# Altium PCB PCB1.PcbDoc
Units mm, origin at the board's own origin, x right, y up, seen from the top; angles counter-clockwise.
Board outline 54.73 x 59.72 mm, 4 copper layers (Top Layer, Signal Layer 1, Signal Layer 2, Bottom Layer), stack 0.778 mm thick; 95 components, 128 nets, 540 pads, 112 vias.
Unrouted connection lines stored in the file: 45.
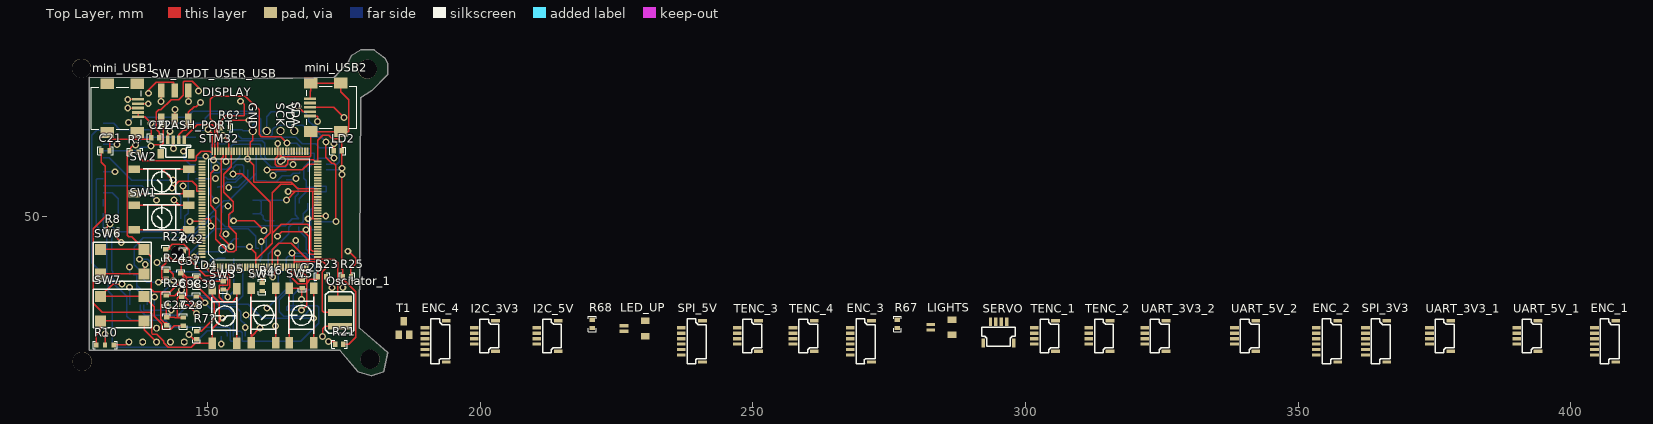
[diagram p0: Top Layer view]
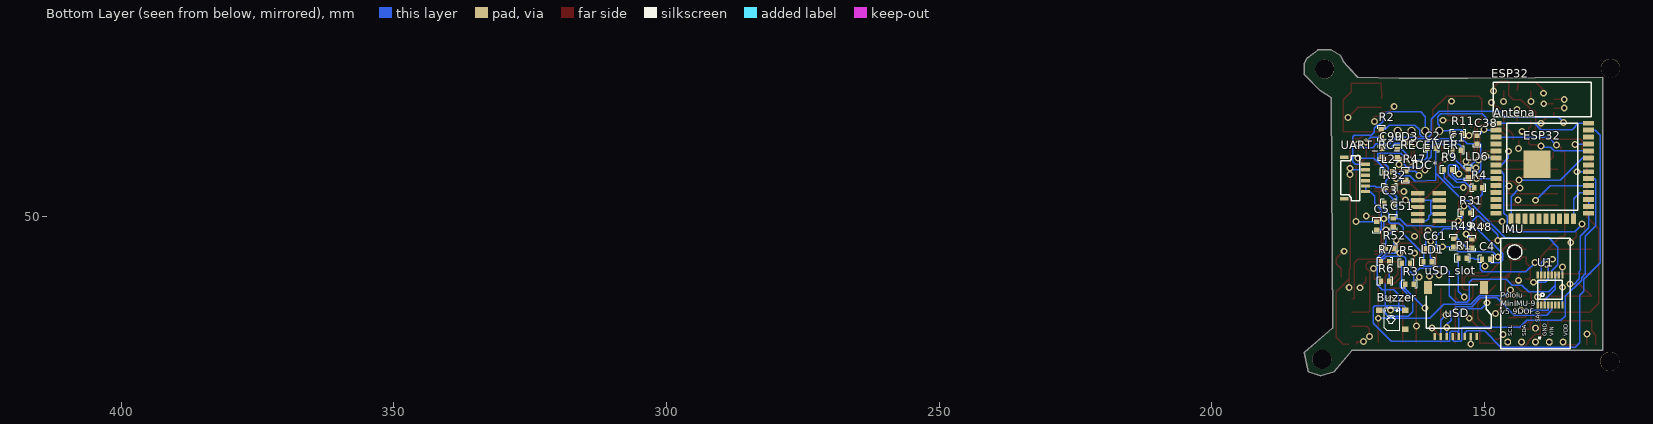
[diagram p1: Bottom Layer view, seen from below]
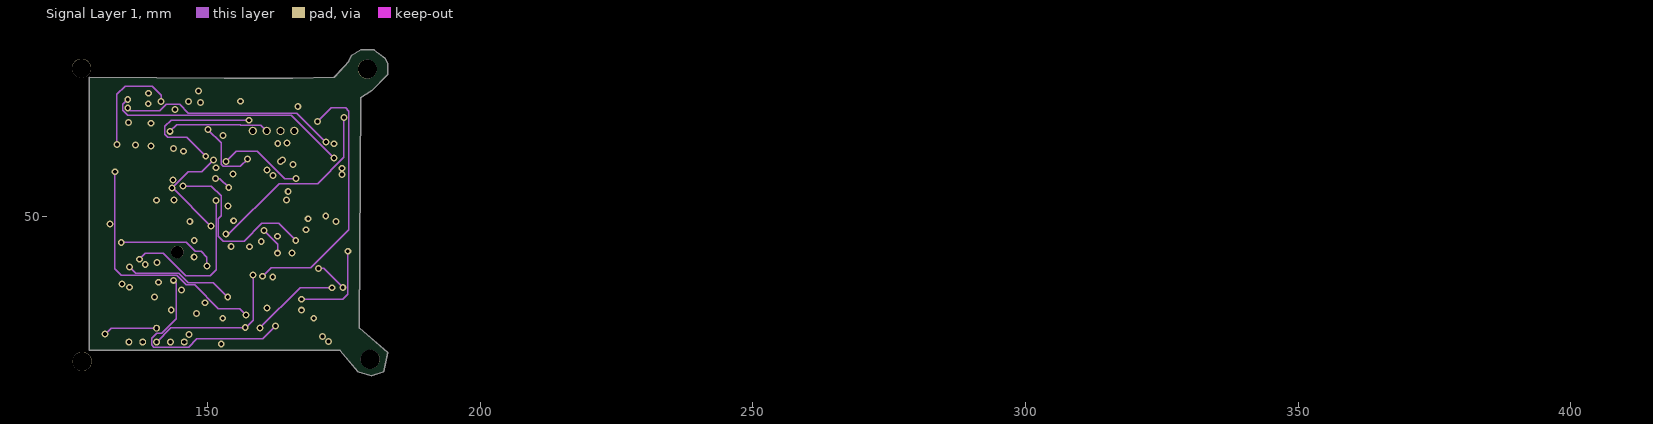
[diagram p2: Signal Layer 1]
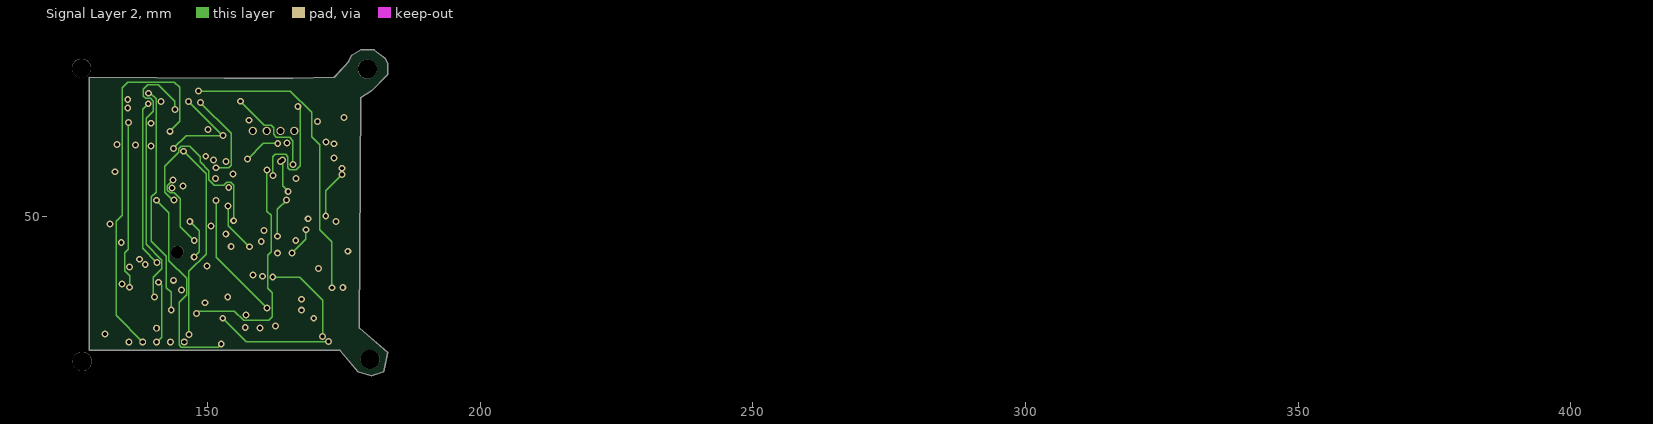
[diagram p3: Signal Layer 2]

## Layer stack, top to bottom
Top Solder: solder mask 0.0102, Solder Resist, Dk 3.5
Top Layer: signal copper 0.0356
Dielectric 1: core 0.254, FR-4, Dk 4.2
Signal Layer 1: signal copper 0.036
Dielectric 3: prepreg 0.127, Dk 4.2
Signal Layer 2: signal copper 0.036
Dielectric 2: core 0.254, Dk 4.2
Bottom Layer: signal copper 0.0356
Bottom Solder: solder mask 0.0102, Solder Resist, Dk 3.5

## Board outline
128.27,25.4 174.25,25.4 177.5,21.5 180.01,20.777 182.27,21.5 183,25 177.8,29.5 178,71.75 180.01,73 183,75.99 183,78 182.5,79 180.5,80.5 178,80.5 176.352,79.502 175.867,78.445 175,77.5 173.165,75.5 165.608,75.311 153.035,75.311 128.27,75.5

## Design rules (kind name [scope] priority, off if disabled: settings)
Clearance [All] p1: gap=0.152
PolygonConnect [All] p1: connectstyle=Relief reliefconductorwidth=0.254 reliefentries=4 polygonreliefangle="90 Angle" airgapwidth=0.254
RoomDefinition Board [InComponentClass('Board')] p1: confinementstyle=ConfineIn formatcopy=TRUE lockcomponents=FALSE outline 184,22.5 410.749,22.5 410.749,34.5 184,34.5
RoutingVias [All] p1: holewidth=0.711 width=1.27 viastyle="Through Hole" minholewidth=0.711 minwidth=1.27 maxholewidth=0.711 maxwidth=1.27
SolderMaskExpansion [All] p1: expansion=0.102
Width [All] p1: maxlimit=0.254 minlimit=0.254 preferedwidth=0.254
30 further rules are at their usual default settings.

## Components (designator, comment, footprint, x,y, rotation, side; value= is the part's Value field where it differs from the comment)
Buzzer "magnectic_buzzer" SMT-0540-S-R 164.465,32.766 r90 bottom
C1 "0u1" 0603 155.804,62.128 r180 bottom
C2 "10u" 0603 160.401,62.459 r180 bottom
C3 "0u1" 0603 168.3,52.4 r180 bottom
C4 "47p" 0603 150.393,42.139 r180 bottom
C5 "47p" 0603 169.697,49.022 r270 bottom
C21 "100n" 0603 130.454,62.001 r0 top
C22 "100n" 0603 141.097,64.389 r180 top
C23 "100n" 0603 167.335,36.805 r90 top
C27 "0.1uF" 0603 142.418,29.972 r90 top
C28 "0.1uF" 0603 145.466,29.921 r90 top
C37 "0.1uF" 0603 145.009,38.024 r90 top
C38 "22uF" 0603 151.308,63.297 r90 bottom
C39 "0.1uF" 0603 147.853,33.782 r90 top
C51 "100n" 0603 166.675,49.579 r270 bottom
C61 "100n" 0603 160.706,44.044 r180 bottom
C98 "C2u2-ESRmax2" 0603 145.212,33.757 r90 top
C99 "C2u2-ESRmax2" 0603 168.732,60.884 r90 bottom
DISPLAY "SSD1306" SSD1306 158.242,65.659 r0 top
ENC_1 "SPI_1" "JST SR SH 1.0 - 6PIN" 408.249,23.25 r90 top
ENC_2 "SPI_2" "JST SR SH 1.0 - 6PIN" 357.249,23.25 r90 top
ENC_3 "SPI_3" "JST SR SH 1.0 - 6PIN" 271.749,23.25 r90 top
ENC_4 "SPI_4" "JST SR SH 1.0 - 6PIN" 193.75,23.25 r90 top
ESP32 "ESP-WROOM-32" ESP-WROOM-32 139.319,50.546 r180 bottom
FLASH_PORT "UART_1" "JST SR SH 1.0 TOP - 4PIN" 141.351,61.468 r0 top
I2C_3V3 "I2C_1" "JST SR SH 1.0 - 4PIN" 202.75,25.25 r90 top
I2C_5V "I2C_2" "JST SR SH 1.0 - 4PIN" 214.25,25.25 r90 top
IDC* "IDC" IDC_10_1.27 158.242,49.149 r90 bottom
IMU "MinIMU-9 v5 9DOF" "MinIMU-9 v5 9DOF - GOLDPINS" 134.239,25.654 r180 bottom
L2 "1u" R0603 168.377,58.191 r180 bottom
LD1 "GREEN" 0603 161.112,41.631 r180 bottom
LD2 "GREEN" 0603 174.574,61.976 r180 top
LD3 "BLUE_BT" 0603 165.913,60.833 r90 bottom
LD4 "BLUE_WIFI" 0603 147.904,37.313 r90 top
LD5 "BLUE_STM" 0603 152.857,36.551 r90 top
LD6 "RED_FAULT" 0603 152.907,57.15 r90 bottom
LED_UP "2 PIN CONNECTOR" "JST SR SH 1.0 - 2pin" 230.25,28 r90 top
LIGHTS "2 PIN CONNECTOR" "JST SR SH 1.0 - 2pin" 286.499,28.25 r90 top
mini_USB1 "651305142821" 651305142821 133.223,69.85 r270 top
mini_USB2 "651305142821" 651305142821 172.72,69.977 r90 top
Oscilator_1 "CSTCC8M00G53-R0" CSTCC8M00G53-R0 174.244,29.845 r90 top
R1 "27" R0603 154.711,42.316 r180 bottom
R2 "27" R0603 168.834,65.964 r270 bottom
R3 "3k3" R0603 164.44,37.541 r180 bottom
R4 "220" R0603 151.841,55.194 r180 bottom
R5 "27" R0603 165.1,41.377 r180 bottom
R6 "1k" R0603 168.91,38.075 r180 bottom
R6? "220" R0603 153.873,66.243 r180 top
R7 "10k" R0603 168.91,41.631 r180 bottom
R7? "220" R0603 147.93,27.432 r90 top
R8 "220" R0603 131.572,47.193 r0 top
R9 "220" R0603 157.352,58.547 r180 bottom
R10 "10k" "R0603 - double" 131.14,26.391 r180 top
R11 "220" R0603 155.524,65.126 r180 bottom
R21 "10k" R0603 173.355,26.518 r0 top
R22 "330" R0603 142.24,42.469 r90 top
R23 "10k" R0603 171.679,38.938 r180 top
R24 "330" R0603 142.367,38.532 r90 top
R25 "10k" R0603 176.251,38.938 r180 top
R26 "330" R0603 142.367,33.96 r90 top
R31 "10k" R0603 154.051,50.597 r180 bottom
R32 "10k" R0603 168.072,55.294 r180 bottom
R42 "330" R0603 145.491,42.062 r90 top
R46 "10k" R0603 159.944,36.297 r90 top
R47 "22" R0603 164.414,56.718 r90 bottom
R48 "22" R0603 152.273,44.247 r90 bottom
R49 "1.5k" R0603 155.599,44.399 r90 bottom
R52 "330" R0603 168.072,44.118 r180 bottom
R67 "1K" R0603 276.499,29.5 r90 top
R68 "270" R0603 220.5,29.5 r90 top
R? "10k" R0603 135.839,61.773 r0 top
SERVO "TIMERS" "JST SR SH 1.0 - 4PIN" 292.249,26.75 r0 top
SPI_3V3 "SPI_5" "JST SR SH 1.0 - 6PIN" 366.249,23.25 r90 top
SPI_5V "SPI_6" "JST SR SH 1.0 - 6PIN" 240.75,23.25 r90 top
STM32 "STM32F765ZIT6" LQFP144 170.18,42.545 r0 top
SW1 "RESET" "LSH Gullwing" 146.525,47.498 r0 top
SW2 "BOOT" "LSH Gullwing" 146.525,54.102 r0 top
SW3 "LEFT" "LSH Gullwing" 155.321,36.703 r90 top
SW4 "MIDDLE" "LSH Gullwing" 162.433,36.83 r90 top
SW5 "RIGHT" "LSH Gullwing" 169.418,36.83 r90 top
SW6 "RESET" TACT_SWITCH_SMD 138.302,43.912 r180 top
SW7 "BOOT" TACT_SWITCH_SMD 138.302,35.306 r180 top
SW_DPDT_USER_USB "DPDT_C&K" JS202011SCQN_C&K 146.431,67.564 r180 top
T1 "NPN" SOT23 185,28.25 r0 top
TENC_1 "4 PIN CONNECTOR" "JST SR SH 1.0 - 4PIN" 305.499,25.25 r90 top
TENC_2 "4 PIN CONNECTOR" "JST SR SH 1.0 - 4PIN" 315.499,25.25 r90 top
TENC_3 "4 PIN CONNECTOR" "JST SR SH 1.0 - 4PIN" 250.999,25.25 r90 top
TENC_4 "4 PIN CONNECTOR" "JST SR SH 1.0 - 4PIN" 261.249,25.25 r90 top
U1 "FT230XS" SSOP16 135.636,39.243 r180 bottom
UART_3V3_1 "UART_4PIN" "JST SR SH 1.0 - 4PIN" 377.999,25.25 r90 top
UART_3V3_2 "UART_4PIN" "JST SR SH 1.0 - 4PIN" 325.749,25.25 r90 top
UART_5V_1 "UART_4PIN" "JST SR SH 1.0 - 4PIN" 393.999,25.25 r90 top
UART_5V_2 "UART_4PIN" "JST SR SH 1.0 - 4PIN" 342.249,25.25 r90 top
UART_RC_RECEIVER "UART_X" "JST SR SH 1.0 - 6PIN" 175.641,60.833 r270 bottom
uSD_slot "ATTEND 112K-TAA0-RA1" "ATTEND 112K-TAA0-RA1" 160.655,36.957 r180 bottom

## Footprints (in the part's own frame and the unit in brackets; to place one, negate y for a bottom-side part, rotate by r counter-clockwise, add the part's x,y. Pads: shape width x height; smd on the part's side, far side on the other; paste and mask are expansions set on the pad)
0603 [mm]
  rect 0.8x1 smd: 1(0,0) 2(1.5,0)
  silkscreen extent -0.67,-0.71 2.18,0.71, body extent -0.01,-0.43 1.59,0.43, height 0.83
651305142821 [mm] "Mini USB 2.0 Type AB SMT Horizontal 5 Contacts"
  rect 0.5x2.25 smd: 1(-1.6,3.965) 2(-0.8,3.965) 3(0,3.965) 4(0.8,3.965) 5(1.6,3.965)
  rect 2x2.5 smd: Shell(-4.45,3.84) Shell(-4.45,-1.66) Shell(4.45,3.84) Shell(4.45,-1.66)
  silkscreen extent -3.85,-4.6 3.85,4.6, body extent -4.95,-4.6 4.95,4.8, height 4.1
"ATTEND 112K-TAA0-RA1" [mm]
  rect 0.42x1.3 smd: 1(9.3,-9) 2(8.2,-9) 3(7.1,-9) 4(6,-9) 5(4.9,-9) 6(3.8,-9) 7(2.7,-9) 8(1.6,-9)
  rect 1.5x2.4 smd: ""(0.37,0) ""(10.63,0)
  silkscreen extent 0,-7.5 12,0.5, body extent 0,-8.96 12.1,1, height 1.49
CSTCC8M00G53-R0 [mm]
  rect 1.2x4.4 smd: 1(0,0) 2(2.5,0) 3(5,0)
  silkscreen extent -1.27,-2.54 6.35,2.67, body extent -1.06,-1.52 6.14,1.48, height 1.25
ESP-WROOM-32 [mm]
  rect 2x0.9 smd: 1(-8.5,16.51) 2(-8.5,15.24) 3(-8.5,13.97) 4(-8.5,12.7) 5(-8.5,11.43) 6(-8.5,10.16) 7(-8.5,8.89) 8(-8.5,7.62) 9(-8.5,6.35) 10(-8.5,5.08) 11(-8.5,3.81) 12(-8.5,2.54) 13(-8.5,1.27) 14(-8.5,0) 25(8.5,0) 26(8.5,1.27) 27(8.5,2.54) 28(8.5,3.81) 29(8.5,5.08) 30(8.5,6.35) 31(8.5,7.62) 32(8.5,8.89) 33(8.5,10.16) 34(8.5,11.43) 35(8.5,12.7) 36(8.5,13.97) 37(8.5,15.24) 38(8.5,16.51)
  rect 0.9x2 smd: 15(-5.715,-1) 16(-4.445,-1) 17(-3.175,-1) 18(-1.905,-1) 19(-0.635,-1) 20(0.635,-1) 21(1.905,-1) 22(3.175,-1) 23(4.445,-1) 24(5.715,-1)
  rect 5x5 smd: ""(-1,9.01)
  silkscreen extent -9,0.51 9,24, body extent -9,-1.5 9,24, height 2.91
IDC_10_1.27 [mm]
  rect 0.8x2.5 smd: 1(0,0) 2(1.27,0) 3(2.54,0) 4(3.81,0) 5(5.08,0) 6(0,3.9) 7(1.27,3.9) 8(2.54,3.9) 9(3.81,3.9) 10(5.08,3.9)
  body extent -3.85,-0.84 8.75,4.83, height 5.65
JS202011SCQN_C&K [mm]
  rect 1.2x2.5 smd: 1(0,-5.5) 2(2.5,-5.5) 3(5,-5.5) 4(0,0) 5(2.5,0) 6(5,0)
  body extent -2,-6.55 7,0.95, height 5.52
"JST SR SH 1.0 - 2pin" [mm]
  rect 1.2x1.6 smd: 0(0,0) 0(2.8,0)
  rect 0.6x1.6 smd: 1(0.9,3.9) 2(1.9,3.9)
  body extent -0.59,-0.87 3.4,4.12, height 3
"JST SR SH 1.0 - 4PIN" [mm]
  rect 0.6x1.6 smd: 1(1.3,3.9) 2(2.3,3.9) 3(3.3,3.9) 4(4.3,3.9) 7(5.6,0) 8(0,0)
  silkscreen extent -0.25,-0.61 5.87,2.85, body extent -0.22,-0.75 5.77,4.2, height 2.96
"JST SR SH 1.0 - 6PIN" [mm]
  rect 0.6x1.6 smd: 1(1.3,3.9) 2(2.3,3.9) 3(3.3,3.9) 4(4.3,3.9) 5(5.3,3.9) 6(6.3,3.9) 7(7.6,0) 8(0,0)
  silkscreen extent -0.28,-0.66 7.98,2.84, body extent -0.16,-0.66 7.84,4.29, height 2.9
"JST SR SH 1.0 TOP - 4PIN" [mm]
  rect 0.6x1.6 smd: 1(1.3,2.55) 2(2.3,2.55) 3(3.3,2.55) 4(4.3,2.55)
  rect 1.2x1.8 smd: 7(5.6,0) 8(0,0)
  silkscreen extent -0.05,-0.66 5.55,1.52, body extent -0.22,-0.88 5.77,2.72, height 4.35
LQFP144 [mm]
  rect 0.35x1.35 smd: 1(-19.375,-1.875) 2(-18.875,-1.875) 3(-18.375,-1.875) 4(-17.875,-1.875) 5(-17.375,-1.875) 6(-16.875,-1.875) 7(-16.375,-1.875) 8(-15.875,-1.875) 9(-15.375,-1.875) 10(-14.875,-1.875) 11(-14.375,-1.875) 12(-13.875,-1.875) 13(-13.375,-1.875) 14(-12.875,-1.875) 15(-12.375,-1.875) 16(-11.875,-1.875) 17(-11.375,-1.875) 18(-10.875,-1.875) 19(-10.375,-1.875) 20(-9.875,-1.875) 21(-9.375,-1.875) 22(-8.875,-1.875) 23(-8.375,-1.875) 24(-7.875,-1.875) 25(-7.375,-1.875) 26(-6.875,-1.875) 27(-6.375,-1.875) 28(-5.875,-1.875) 29(-5.375,-1.875) 30(-4.875,-1.875) 31(-4.375,-1.875) 32(-3.875,-1.875) 33(-3.375,-1.875) 34(-2.875,-1.875) 35(-2.375,-1.875) 36(-1.875,-1.875) 73(-1.875,19.375) 74(-2.375,19.375) 75(-2.875,19.375) 76(-3.375,19.375) 77(-3.875,19.375) 78(-4.375,19.375) 79(-4.875,19.375) 80(-5.375,19.375) 81(-5.875,19.375) 82(-6.375,19.375) 83(-6.875,19.375) 84(-7.375,19.375) 85(-7.875,19.375) 86(-8.375,19.375) 87(-8.875,19.375) 88(-9.375,19.375) 89(-9.875,19.375) 90(-10.375,19.375) 91(-10.875,19.375) 92(-11.375,19.375) 93(-11.875,19.375) 94(-12.375,19.375) 95(-12.875,19.375) 96(-13.375,19.375) 97(-13.875,19.375) 98(-14.375,19.375) 99(-14.875,19.375) 100(-15.375,19.375) 101(-15.875,19.375) 102(-16.375,19.375) 103(-16.875,19.375) 104(-17.375,19.375) 105(-17.875,19.375) 106(-18.375,19.375) 107(-18.875,19.375) 108(-19.375,19.375)
  rect 1.35x0.35 smd: 37(0,0) 38(0,0.5) 39(0,1) 40(0,1.5) 41(0,2) 42(0,2.5) 43(0,3) 44(0,3.5) 45(0,4) 46(0,4.5) 47(0,5) 48(0,5.5) 49(0,6) 50(0,6.5) 51(0,7) 52(0,7.5) 53(0,8) 54(0,8.5) 55(0,9) 56(0,9.5) 57(0,10) 58(0,10.5) 59(0,11) 60(0,11.5) 61(0,12) 62(0,12.5) 63(0,13) 64(0,13.5) 65(0,14) 66(0,14.5) 67(0,15) 68(0,15.5) 69(0,16) 70(0,16.5) 71(0,17) 72(0,17.5) 109(-21.25,17.5) 110(-21.25,17) 111(-21.25,16.5) 112(-21.25,16) 113(-21.25,15.5) 114(-21.25,15) 115(-21.25,14.5) 116(-21.25,14) 117(-21.25,13.5) 118(-21.25,13) 119(-21.25,12.5) 120(-21.25,12) 121(-21.25,11.5) 122(-21.25,11) 123(-21.25,10.5) 124(-21.25,10) 125(-21.25,9.5) 126(-21.25,9) 127(-21.25,8.5) 128(-21.25,8) 129(-21.25,7.5) 130(-21.25,7) 131(-21.25,6.5) 132(-21.25,6) 133(-21.25,5.5) 134(-21.25,5) 135(-21.25,4.5) 136(-21.25,4) 137(-21.25,3.5) 138(-21.25,3) 139(-21.25,2.5) 140(-21.25,2) 141(-21.25,1.5) 142(-21.25,1) 143(-21.25,0.5) 144(-21.25,0)
  silkscreen extent -20,-0.5 -1.5,18, body extent -21.62,-2.25 0.38,19.75, height 2
"LSH Gullwing" [mm]
  rect 2.1x1.4 smd: 1(-10,4.5) 2(0,4.5) 3(-10,0) 4(0,0)
  silkscreen extent -8.4,0 -1.6,4.6, body extent -10,-0.75 0,5.25, height 4.97
"MinIMU-9 v5 9DOF - GOLDPINS" [mil]
  round 50 hole 30: 1(-450,50) 2(-350,50) 3(-250,50) 4(-150,50) 5(-50,50) 6(-250,150)
  round 90 hole 90: 7(-400,700)
  silkscreen extent -500,0 0,800, body extent -500,0 0,800, height 336
R0603 [mm]
  rect 0.8x1 smd: 1(0,0) 2(1.5,0)
  silkscreen extent -0.67,-0.71 2.18,0.71, body extent -0.04,-0.43 1.56,0.43, height 0.48
"R0603 - double" [mil]
  rect 31x38 smd: 1(-63,0) 2(0,0) 3(62.99,0)
  silkscreen extent -88,-28 87,28, body extent -64,-17 67,17, height 19
SMT-0540-S-R [mm]
  rect 1x1.2 smd: 1(0,4.8) 2(0,0) ""(-3.5,0)
  silkscreen extent -3.8,1 0.4,3.9, body extent -4.25,-0.4 0.75,5.1, height 2.11
SOT23 [mm]
  rect 1.2x1.5 smd: 1(0,0) 2(1.9,0) 3(0.95,2.5)
  body extent -0.48,0.02 2.52,2.52, height 1.06
SSD1306 [mil]
  round 60 hole 41.34: 1(0,0) 2(100,0) 3(200,0) 4(300,0)
  body extent -376,-1006 675,91, height 373
SSOP16 [mm]
  rect 0.42x1.3 smd: 1(-4.55,-5.5) 2(-3.9,-5.5) 3(-3.25,-5.5) 4(-2.6,-5.5) 5(-1.95,-5.5) 6(-1.3,-5.5) 7(-0.65,-5.5) 8(0,-5.5) 9(0,0) 10(-0.65,0) 11(-1.3,0) 12(-1.95,0) 13(-2.6,0) 14(-3.25,0) 15(-3.9,0) 16(-4.55,0)
  silkscreen extent -4.5,-4.5 0,-1, body extent -4.91,-6 0.39,0.46, height 1.65
TACT_SWITCH_SMD [mm]
  rect 2x2 smd: 1(0,4.5) 1(8,4.5) 2(0,0) 2(8,0)
  silkscreen extent -1.3,-1.3 9.3,5.8, body extent 0.4,-0.95 7.6,5.55, height 2.5

## Part data
C1 C2 C3 C4 C5 C21 C22 C23 C27 C28 C37 C38 C39 C51 C61 C98 C99: library part Cap
ENC_1 ENC_2 ENC_3 ENC_4 SPI_3V3 SPI_5V: library part SPI
FLASH_PORT: library part UART_4PIN
I2C_3V3 I2C_5V: library part I2C
L2: library part L
LD1 LD2 LD3 LD4 LD5 LD6: library part LED
mini_USB1 mini_USB2: "Mini USB 2.0 Type AB Receptacle WR-COM, Horizontal, SMT, with Pads"
R1 R2 R3 R4 R5 R6 R6? R7 R7? R8 R9 R11 R21 R22 R23 R24 R25 R26 R31 R32 R42 R46 R47 R48 R49 R52 R67 R68 R?: library part Res
R10: library part Res_2_way
SERVO: library part "4 PIN CONNECTOR"
SW1 SW2 SW3 SW4 SW5: library part Tact_Switch_Simply
SW6 SW7: library part "single state switch"
U1: library part FT230XS_ON_BOARD
UART_RC_RECEIVER: library part UART

## Free pads (board coordinates)
  round 3.5 hole 3.5: 0(179.25,77) 1(179.756,23.774) 4(126.924,23.368) 5(126.822,77.14)

## Via types
v1: diameter 1.27, hole 0.711, Top Layer to Bottom Layer, 112 vias

## Nets (pads, with @x,y where several pads share a name; then routed paths per layer and width w, separated by ;. In a path a pad name is that pad's centre, name@x,y a point inside that pad or via, vN(x,y) a via of type N, cw(c..) or ccw(c..) an arc to the next point about the centre after c; other vN are vias at no path point)
GND: C1.1 C2.1 C3.2 C4.2 C5.2 C21.2 C22.2 C23.2 C27.2 C28.2 C37.2 C38.1 C39.1 C61.2 C98.2 C99.1 DISPLAY.1 ENC_1.2 ENC_2.2 ENC_3.2 ENC_4.2 ESP32.1 ESP32.15 ESP32.38 FLASH_PORT.4 IDC*.2 IDC*.4 IDC*.6 IDC*.9 IMU.3 LD3.2 LD4.2 LD5.2 LD6.2 LED_UP.2 LIGHTS.2 mini_USB1.4 mini_USB1.5 mini_USB2.5 mini_USB2.Shell Oscilator_1.2 R3.2 R7.1 R10.3 R11.2 R22.1 R24.1 R26.1 R32.1 R42.1 SPI_3V3.2 SPI_5V.2 STM32.16 STM32.31 STM32.38 STM32.51 STM32.61 STM32.83 STM32.94 STM32.107 STM32.120 STM32.130 SW6.1 SW7.1 T1.3 TENC_1.2 TENC_2.2 TENC_3.2 TENC_4.2 U1.5 U1.13 UART_3V3_1.4 UART_3V3_2.4 UART_5V_1.4 UART_5V_2.4 UART_RC_RECEIVER.5 UART_RC_RECEIVER.6 uSD_slot.6 | length 474.7
  Top Layer w0.254: R10.3 129.54,28.194 130.302,28.956 130.302,30.806 138.302,30.806 138.302,29.211 IMU.3 ; SW6.1@130.302,39.412 138.302,39.412 138.302,40.944 v1(138.506,41.148) ; C21.2 131.954,63.827 132.237,64.11 139.597,64.11 C22.2 v1(139.597,67.056) 138.403,68.25 mini_USB1.5 mini_USB1.4 ; v1(140.919,37.897) 141.834,38.532 ; R26.1 142.367,31.472 C27.2 143.916,31.472 143.967,31.421 144.678,31.421 ; R24.1 141.834,38.532 ; v1(143.434,55.194) 144.678,56.439 147.117,56.439 147.955,55.601 147.955,54.545 STM32.120 ; C37.2 C37.2@145.161,39.524 ; C28.2 144.678,31.421 ; R42.1 R42.1@145.161,42.062 ; FLASH_PORT.4 145.651,64.422 148.057,66.827 150.774,66.827 151.282,66.319 151.282,63.954 151.305,63.932 STM32.107 151.305,60.603 v1(151.003,60.301) ; C39.1 147.245,33.782 145.771,35.257 ; STM32.130 150.226,49.545 150.571,49.2 v1(150.571,48.209) ; LD5.2 149.28,38.051 148.518,38.813 LD4.2 146.126,38.813 C37.2@145.415,39.524 ; STM32.94 157.805,63.551 158.242,63.988 DISPLAY.1 ; v1(158.305,39.243) STM32.16 ; v1(162.763,46.33) 163.576,47.142 167.691,47.142 168.504,46.33 168.504,43.282 168.74,43.045 STM32.38 ; v1(163.297,60.071) 163.305,60.079 v1@163.305,60.723 ; STM32.83 163.305,61.163 ; v1(163.711,60.325) v1(163.703,60.325) 163.627,60.401 v1@163.305,60.723 ; v1(164.44,52.959) 166.026,54.545 ; v1(164.733,54.545) 166.026,54.545 ; v1(165.405,43.231) 165.805,42.831 165.805,41.625 ; C23.2 166.827,38.305 165.805,39.327 STM32.31 165.805,41.625 ; v1(168.402,49.545) 169.215,49.545 ; mini_USB2.5 168.755,72.923 168.88,73.048 168.88,74.427 174.38,74.427 174.38,72.873 175.87,71.383 175.87,65.527 174.38,65.527 168.88,65.527 168.88,61.129 168.656,60.905 163.564,60.905 163.305,61.163 ; STM32.51 169.215,49.545 ; STM32.61 169.215,54.545 ; Oscilator_1.2 171.298,32.345 170.993,32.65 170.993,39.827 171.602,40.437 171.602,41.218 171.196,41.625 165.805,41.625 ; 141.834,38.532 141.58,38.786 141.58,40.716 142.24,41.377 R22.1 143.027,42.469 143.586,41.91 144.856,41.91 145.009,42.062 R42.1@145.161,42.062 ; 144.678,31.421 144.424,31.675 144.424,35.003 144.678,35.257 C98.2 145.771,35.257 ; C37.2@145.161,39.524 C37.2@145.415,39.524 ; C37.2@145.161,39.524 R42.1@145.161,42.062 ; C37.2@145.415,39.524 145.415,39.014 146.103,38.326 146.103,35.589 145.771,35.257 ; v1@163.305,60.723 163.305,61.163 ; 166.026,54.545 169.215,54.545 ; 169.215,49.545 169.215,54.545
  Signal Layer 1 w0.254: IMU.3 143.231,29.566 v1(156.855,29.566) 156.944,29.566 158.305,30.926 v1(158.305,39.243) ; v1(150.571,48.209) 143.586,55.194 v1(143.434,55.194) 146.375,58.135 148.837,58.135 v1(151.003,60.301)
  Signal Layer 2 w0.254: IMU.3 141.503,27.838 141.503,37.313 v1(140.919,37.897) ; v1(162.763,46.33) 162.763,51.283 v1(164.44,52.959) ; v1(163.711,60.325) 163.711,55.567 v1(164.733,54.545) ; v1(165.405,43.231) 167.996,45.822 v1(167.996,47.522)
  Bottom Layer w0.254: ESP32.38 132.724,67.056 133.867,65.913 139.598,65.913 140.741,67.056 ; U1.5 137.586,32.823 138.551,31.858 144.469,31.858 147.663,35.052 150.673,35.052 152.298,33.426 155.118,33.426 156.058,32.487 156.058,30.963 156.855,30.165 v1(156.855,29.566) uSD_slot.6 ; v1(138.506,41.148) 138.236,40.878 U1.13 138.236,38.405 138.744,37.897 v1(140.919,37.897) ; v1(139.597,67.056) 140.741,67.056 ; v1(143.434,55.194) 145.034,53.594 ESP32.15 ; C4.2 148.893,41.504 147.117,41.504 146.558,42.062 146.558,43.078 151.13,47.65 ; v1(150.571,48.209) 151.13,47.65 ; v1(151.003,60.301) 151.459,60.301 152.425,59.334 LD6.2@152.425,58.65 ; C1.1 155.804,60.96 153.494,58.65 LD6.2 LD6.2@152.425,58.65 ; IDC*.2 159.512,50.419 ; IDC*.4 159.512,52.959 ; v1(158.305,39.243) 159.507,40.445 161.79,40.445 162.94,39.295 ; C61.2 159.206,44.145 158.775,44.145 158.775,46.33 157.429,47.676 151.155,47.676 151.13,47.65 ; IDC*.6 160.604,49.149 160.172,49.581 160.172,49.987 159.741,50.419 159.512,50.419 ; R3.2 162.94,39.295 ; v1(163.297,60.071) v1@163.297,60.325 ; v1(163.703,60.325) v1@163.297,60.325 ; v1(164.44,52.959) IDC*.9 159.512,52.959 ; v1(165.405,43.231) 167.945,43.231 168.91,42.266 R7.1@168.91,41.732 ; LD3.2 165.152,62.333 163.297,60.477 v1@163.297,60.325 ; C3.2 166.8,53.188 168.072,54.459 R32.1 ; v1(168.402,49.545) 168.402,47.928 v1(167.996,47.522) 169.062,47.522 ; C99.1 168.732,60.096 167.589,58.953 167.589,56.972 168.072,56.49 R32.1 ; R7.1 R7.1@168.91,41.732 ; C5.2 169.062,47.522 ; 140.741,67.056 ESP32.1 149.123,67.056 149.53,67.462 149.53,67.996 150.368,68.834 157.912,68.834 158.471,68.275 158.471,66.931 158.242,66.703 DISPLAY.1 156.464,65.659 156.21,65.913 154.229,65.913 154.024,65.708 R11.2 154.024,64.211 ; LD6.2@152.425,58.65 152.4,58.65 152.4,58.371 151.994,57.964 151.154,57.964 150.597,58.522 150.597,63.297 C38.1 153.11,63.297 154.024,64.211 ; 154.024,64.211 154.431,63.805 159.995,63.805 160.401,63.398 C2.1 160.401,60.858 160.934,60.325 v1@163.297,60.325 ; 159.512,50.419 159.791,50.698 159.791,52.68 159.512,52.959 ; 162.94,39.295 164.338,40.589 164.338,42.266 164.77,42.697 167.945,42.697 R7.1@168.91,41.732 ; R32.1 169.774,55.294 170.012,55.533 UART_RC_RECEIVER.5 UART_RC_RECEIVER.6 170.916,54.533 170.028,53.645 170.028,52.349 168.835,51.157 168.835,47.749 169.062,47.522